# Altium PCB PCB1_Bak.PcbDoc (part 5 of 5)
Units mil, origin at the board's own origin, x right, y up, seen from the top; angles counter-clockwise.
Board outline 9847.03 x 4571.03 mil, 8 copper layers (HIGH_SPEED_TOP, GND PLANE1, LOW_SPEED, +1V8_3V3_5V, +12V, SIGNAL, GND_PLANE3, HIGH_SPEED_BOT), stack 62.99 mil thick; 506 components, 434 nets, 2446 pads, 333 vias.
Unrouted connection lines stored in the file: 910.
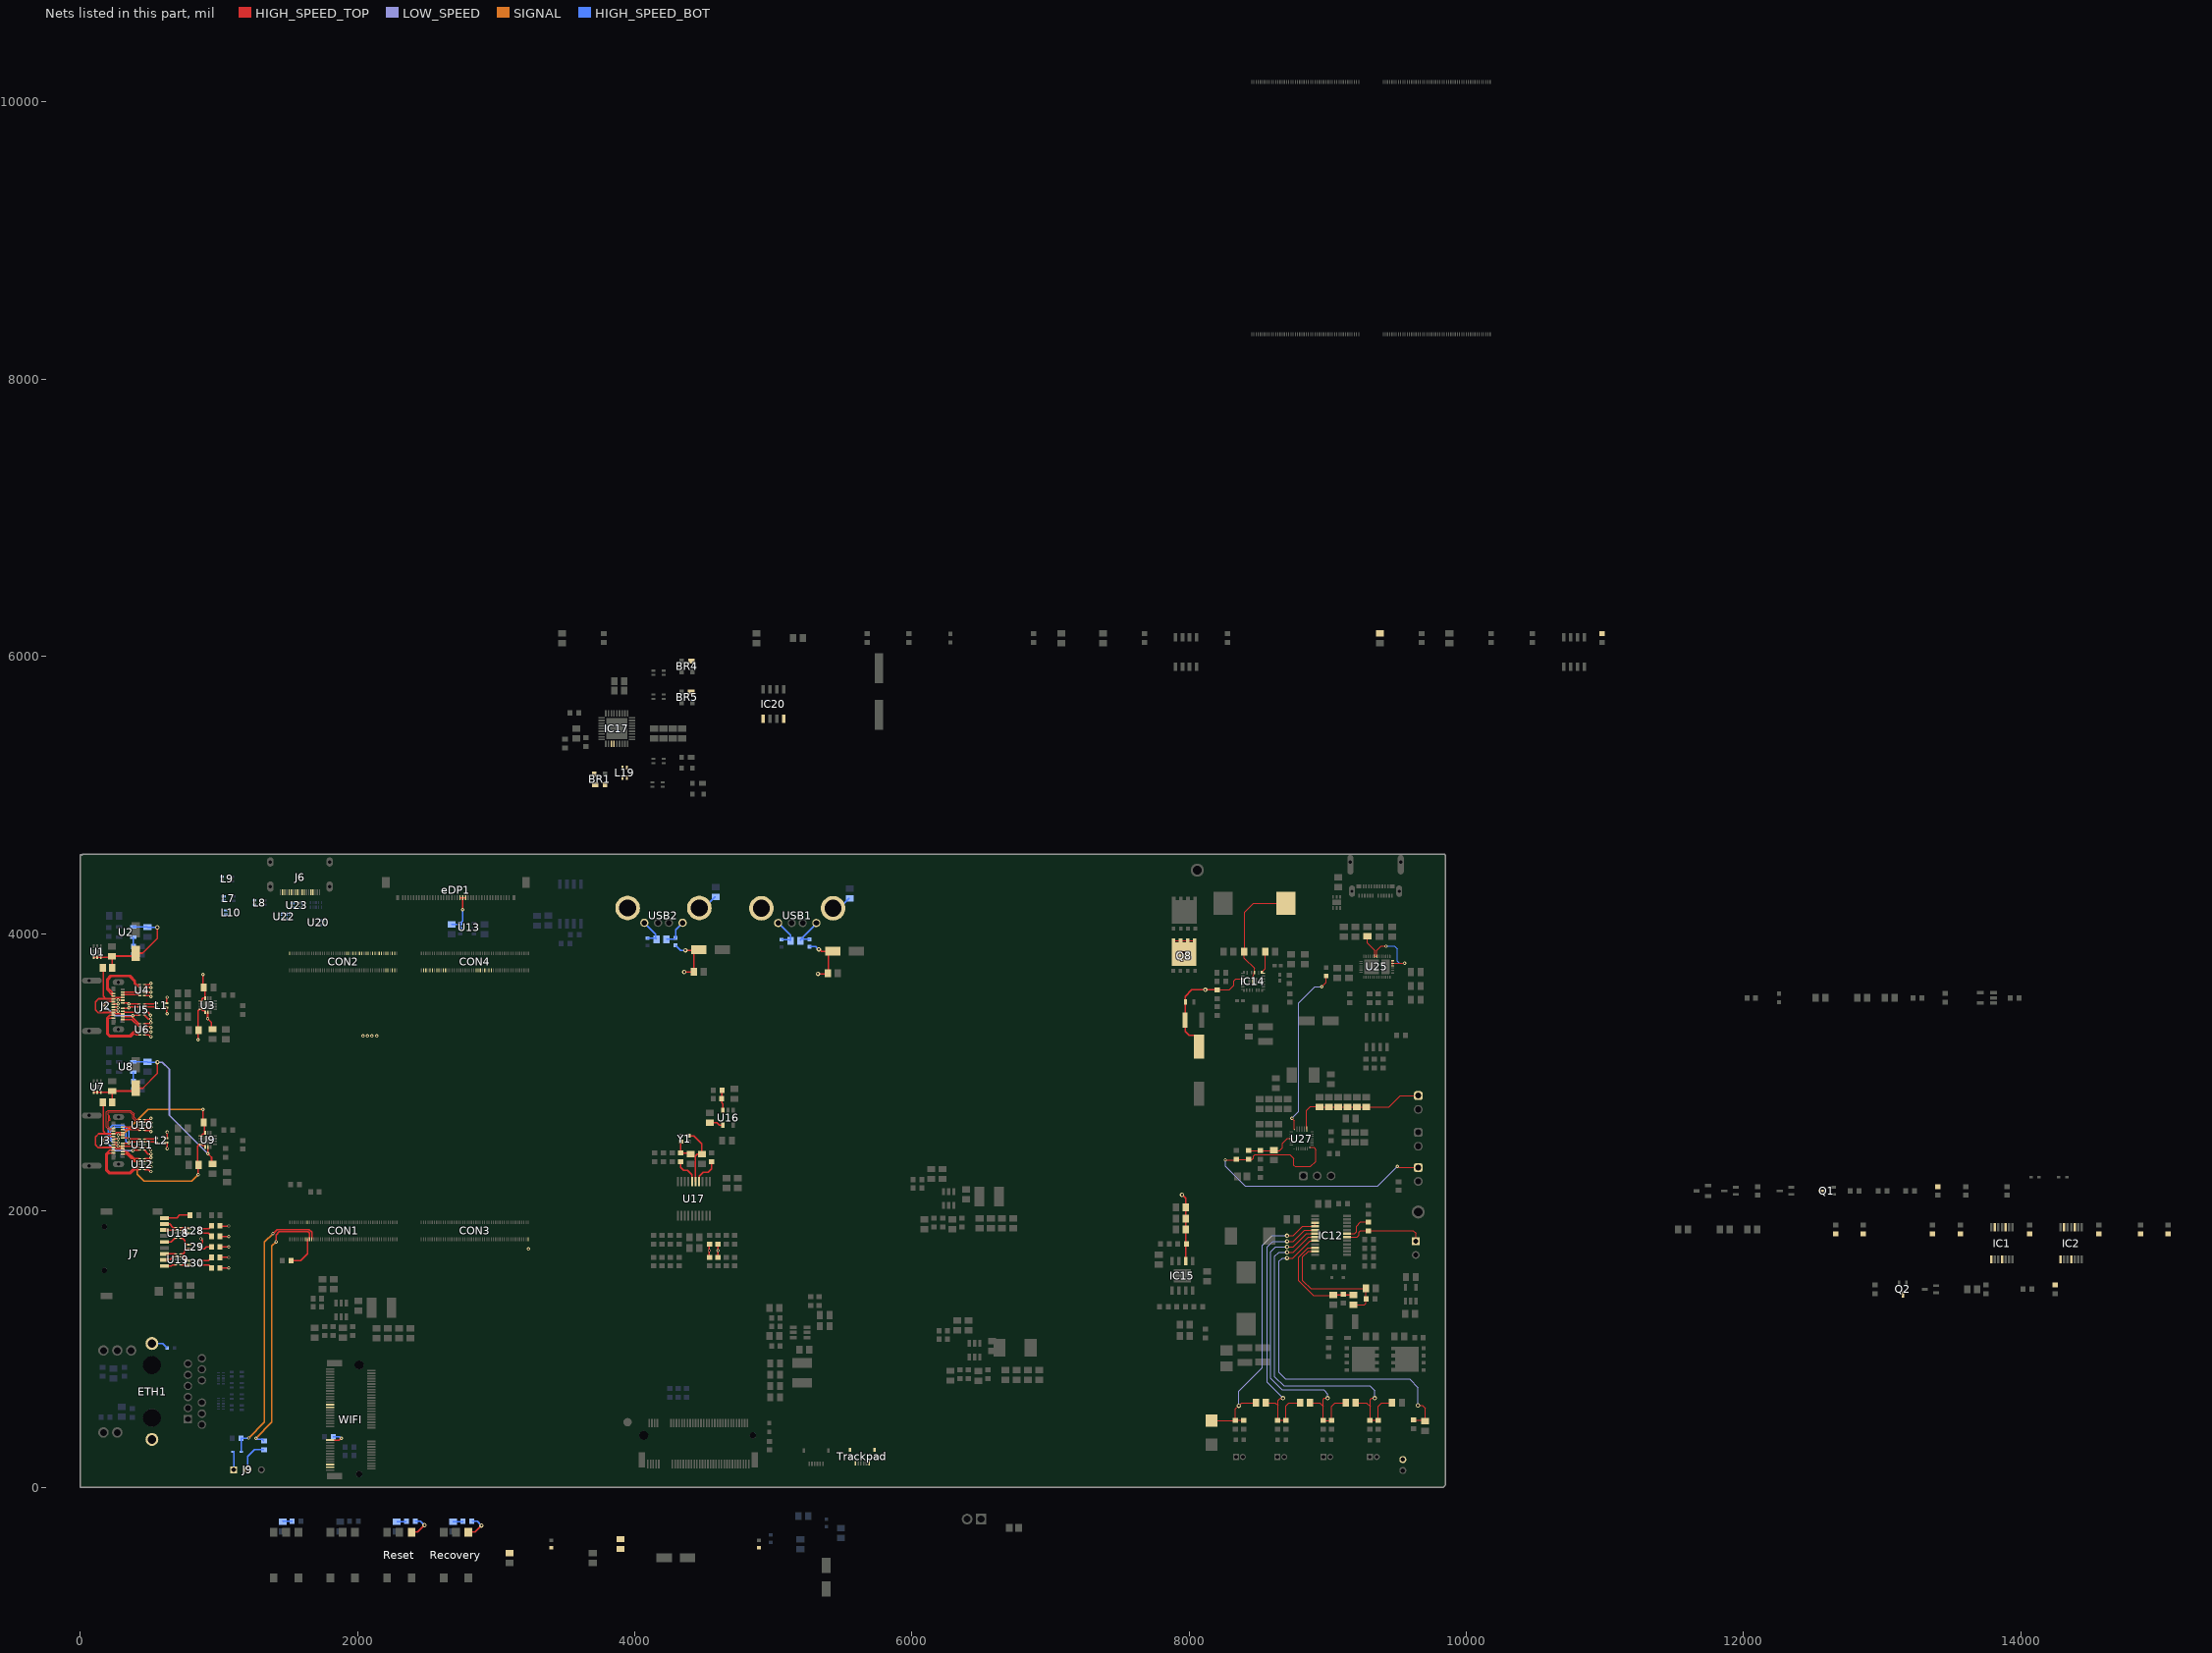
[diagram p11: the nets of this part, all layers, seen from the top]

## Via types
v1: diameter 32, hole 16, HIGH_SPEED_TOP to HIGH_SPEED_BOT, 172 vias
v2: diameter 24, hole 12, HIGH_SPEED_TOP to HIGH_SPEED_BOT, 136 vias
v3: diameter 23.62, hole 11.81, HIGH_SPEED_TOP to HIGH_SPEED_BOT, 24 vias
v4: diameter 40, hole 20, HIGH_SPEED_TOP to HIGH_SPEED_BOT, 1 vias

## Nets (pads, with @x,y where several pads share a name; then routed paths per layer and width w, separated by ;. In a path a pad name is that pad's centre, name@x,y a point inside that pad or via, vN(x,y) a via of type N, cw(c..) or ccw(c..) an arc to the next point about the centre after c; other vN are vias at no path point) (continued)
PWR3: BR5.1 C176.1 C177.1 FB5.1 IC20.8 | length 429.1
  HIGH_SPEED_TOP w10: v1(5321,3710) 5391.57,3710 C176.1@5394.57,3713 ; v1(5328,3887) 5333.95,3887 5348.22,3872.73 C177.1@5423.06,3872.73 ; C176.1@5396.57,3712 5396.57,3846.24 C177.1@5423.06,3872.73 ; C177.1@5430.07,3872.73 C177.1@5423.06,3872.73
  HIGH_SPEED_BOT w10: FB5.1@5261,3905.43 5303.62,3905.43 5322.05,3887 v1(5328,3887)
PWR4: BR4.1 C180.1 C181.1 FB7.1 IC20.5 | length 435.6
  HIGH_SPEED_TOP w10: v1(4357,3722) 4426.57,3722 C180.1@4427.57,3723 4427.57,3856.24 4454.06,3882.73 C181.1@4463.07,3882.73 4460.34,3880 v1(4365,3880)
  HIGH_SPEED_BOT w10: FB7.1@4294,3915.43 4294.98,3915.43 4330.41,3880 v1(4365,3880)
PWRON_L: C41.1 CON1.17 R70.1 | length 71.4
  HIGH_SPEED_BOT w10: C41.1@1459.57,-244.44 1464.14,-239.87 R70.1@1529.08,-239.87
RECOV: R73.2 Recovery.1 | length 197.5
  HIGH_SPEED_TOP w10: Recovery.1@2799.16,-318.52 2846.93,-318.52 v1(2894.57,-270.87)
  HIGH_SPEED_BOT w10: R73.2@2825.07,-239.87 2863.57,-239.87 v1(2894.57,-270.87)
RECOVERY: C44.1 CON2.1 R73.1 | length 74.4
  HIGH_SPEED_BOT w10: C44.1@2689.57,-244.44 2757.51,-244.44 R73.1@2762.08,-239.87
REGN: C103.2 R113.2 R116.2 U27.5 | length 368.4
  HIGH_SPEED_TOP w7.87: R116.2@8428.45,2429.18 R116.2@8429.94,2427.68 ; R116.2@8428.45,2435.18 R113.2@8513.45,2435.18 8608.51,2435.18 C103.2@8609.45,2436.12 8612.45,2433.12 8650.88,2433.12 8672.45,2454.68 8672.45,2486.81 8707.32,2521.69 U27.5@8737.65,2521.69
RESET: R71.2 Reset.1 | length 193.2
  HIGH_SPEED_TOP w10: Reset.1@2390.49,-318.52 2433.93,-318.52 v1(2483.57,-268.87)
  HIGH_SPEED_BOT w10: R71.2@2416.07,-239.87 2454.57,-239.87 v1(2483.57,-268.87)
RESET_L: C42.1 CON1.16 R71.1 | length 72.4
  HIGH_SPEED_BOT w10: C42.1@2282.57,-244.44 2348.51,-244.44 R71.1@2353.08,-239.87
RX_M0: D3.1 J9.1 | length 133.6
  HIGH_SPEED_BOT w10: D3.1@1101.47,261 1103.73,261 1107,257.73 J9.1@1107,131
S2: R24.2 U17.4 | length 202.4
  HIGH_SPEED_TOP w10: U17.4@4464.39,2209.5 4465.05,2210.16 4465.05,2251.05 4492.46,2278.46 4529.46,2278.46 4553,2302 R24.2@4553,2353.5
SCL: J6.15 Q1.3 R56.1 U20.5 U20.6
SD_CLK: CON4.60 J7.5 L29.1 L29.4 U18.5 U18.6 | length 251.8
  HIGH_SPEED_TOP w10: J7.5@607.12,1774.64 653.64,1774.64 679.31,1800.31 U18.5@689.54,1800.31 ; U18.6@722.73,1800.31 739.69,1800.31 754,1786 754,1764.75 762.86,1755.88 786.45,1755.88 L29.1@786.58,1755.75 ; L29.4@859.42,1755.75 862.29,1758.62 875.65,1758.62 881.51,1764.48 881.51,1785.14 870,1796.65 v2(870,1798)
SD_CMD: J7.3 L29.2 L29.3 R46.2 U19.1 U19.10 | length 263.7
  HIGH_SPEED_TOP w10: J7.3@607.12,1688.03 607.29,1688.2 689.1,1688.2 U19.1@689.27,1688.37 ; U19.10@722.73,1688.37 723.8,1689.43 745.14,1689.43 751,1695.29 751,1713 762.25,1724.25 L29.2@786.58,1724.25 ; L29.3@859.42,1724.25 894.25,1724.25 909.4,1739.4 R46.2@945.5,1739.4
SD_D0: J7.7 L28.2 L28.3 R47.2 U18.2 U18.9 | length 252.4
  HIGH_SPEED_TOP w10: J7.7@607.12,1861.26 608.06,1860.31 688.59,1860.31 U18.2@689.54,1859.37 ; U18.9@722.73,1859.37 740.63,1859.37 759,1841 785.83,1841 L28.2@786.58,1840.25 ; L28.3@859.42,1840.25 922.82,1840.25 945.5,1817.57 R47.2@945.5,1815.6
SD_D1: J7.8 L28.1 L28.4 R48.2 U18.1 U18.10 | length 256.6
  HIGH_SPEED_TOP w10: J7.8@607.12,1904.57 608.55,1906 644,1906 670.95,1879.05 U18.1@689.54,1879.05 ; U18.10@722.73,1879.05 744.95,1879.05 751,1873 785.33,1873 L28.1@786.58,1871.75 ; L28.4@859.42,1871.75 927.42,1871.75 945.5,1889.83 R48.2@945.5,1891.8
SD_D2: J7.1 L30.2 L30.3 R44.2 U19.5 U19.6 | length 246
  HIGH_SPEED_TOP w10: J7.1@607.12,1601.42 656.42,1601.42 664.63,1609.63 U19.5@689.27,1609.63 ; U19.6@722.73,1609.63 723.42,1608.94 785.89,1608.94 L30.2@786.58,1608.25 ; L30.3@859.42,1608.25 926.22,1608.25 945.5,1588.97 R44.2@945.5,1587
SD_D3: J7.2 L30.1 L30.4 R45.2 U19.2 U19.9 | length 274.7
  HIGH_SPEED_TOP w10: J7.2@607.12,1644.72 608.39,1646 648,1646 670.69,1668.69 U19.2@689.27,1668.69 ; U19.9@722.73,1668.69 745.14,1668.69 751,1662.83 751,1646 757.25,1639.75 L30.1@786.58,1639.75 ; L30.4@859.42,1639.75 924.02,1639.75 945.5,1661.23 R45.2@945.5,1663.2
SD_DET: J7.CD R50.2 | length 193.7
  HIGH_SPEED_TOP w10: J7.CD@607.12,1947.87 696.87,1947.87 717,1968 R50.2@792.5,1968
SDA: J6.16 Q2.3 R59.1 U20.4 U20.7
SDIO_RESET: R41.2 WIFI.23 | length 148.1
  HIGH_SPEED_TOP w10: WIFI.23@1803.85,345.54 1867.9,345.54 1880.06,357.71 v2(1883.85,357.71)
  HIGH_SPEED_BOT w10: R41.2@1825.35,368.71 1869.06,368.71 1880.06,357.71 v2(1883.85,357.71)
SDMMC0_CMD: CON4.56 R46.1 | length 62.8
  HIGH_SPEED_TOP w10: R46.1@1008.5,1739.4 1009.1,1738.8 v2(1071,1738.8)
SDMMC0_D0: CON4.64 R47.1 | length 63.1
  HIGH_SPEED_TOP w10: R47.1@1008.5,1815.6 1009.9,1814.2 v2(1071,1814.2)
SDMMC0_D1: CON4.66 R48.1 | length 63.4
  HIGH_SPEED_TOP w10: R48.1@1008.5,1891.8 1010.7,1889.6 v2(1071,1889.6)
SDMMC0_D2: CON4.52 R44.1 | length 62.9
  HIGH_SPEED_TOP w10: R44.1@1008.5,1587 1009.5,1588 v2(1071,1588)
SDMMC0_D3: CON4.54 R45.1 | length 62.6
  HIGH_SPEED_TOP w10: R45.1@1008.5,1663.2 1008.7,1663.4 v2(1071,1663.4)
SHIELD: ETH1.S1 ETH1.S2 FB11.2 | length 124.3
  HIGH_SPEED_BOT w10: ETH1.S2@517,1042 596.41,1042 627.43,1010.98 FB11.2@627.43,1010
SR_N: C122.2 C123.2 IC12.11 R135.2 | length 958.8
  HIGH_SPEED_TOP w7.87: IC12.11@8907.78,1707.53 8859.29,1707.53 8819.45,1667.68 8819.45,1496.68 8877.45,1438.68 C122.2@9275.02,1438.68 9275.02,1363.62 R135.2@9275.95,1362.68 9275.95,1332.19 9264.02,1320.25 C123.2@9184.45,1320.25
SR_P: C123.1 C124.2 IC12.10 R136.2 | length 764.1
  HIGH_SPEED_TOP w7.87: IC12.10@8907.78,1733.12 8856.88,1733.12 8789.45,1665.68 8789.45,1493.69 8895.02,1388.12 9036.45,1388.12 C124.2@9039.45,1391.12
  HIGH_SPEED_TOP w10: C124.2@9039.45,1391.12 9106.39,1391.12 R136.2@9113.45,1398.18 9120.51,1391.12 C123.1@9184.45,1391.12
STAT: LED3.2 U27.1 | length 1247.8
  HIGH_SPEED_TOP w7.87: v2(8741.45,2666.68) 8758.56,2649.57 U27.1@8758.56,2585.91 ; v2(8956.45,3615.68) 8989.45,3648.68 LED3.2@8989.45,3695.16
  LOW_SPEED w7.87: v2(8741.45,2666.68) 8790.45,2715.68 8790.45,3498.68 8907.45,3615.68 v2(8956.45,3615.68)
SW2_(1,2): C138.2 IC14.21 IC14.25 L17.2 | length 857.2
  HIGH_SPEED_TOP w7.87: IC14.25@8459.84,3654.68 8459.84,3694.55 8468.7,3703.41 8468.7,3718.66 IC14.21@8469.69,3719.65 8469.69,3751.63 8398.02,3823.3 C138.2@8398.02,3869.68 8401.45,3873.12 8401.45,4155.68 8463.45,4217.68 L17.2@8696.83,4217.68
Trackpad_gnd: C174.2 FB4.2 Trackpad.1
Trackpad_MP: C175.1 Trackpad.MP1 Trackpad.MP2
Trackpad_vbus: C174.1 FB3.2 Trackpad.6
TS: JP3.1 R115.2 R116.1 U27.16 | length 2450.5
  HIGH_SPEED_TOP w7.87: v2(8260.45,2366.68) 8337.45,2366.68 R115.2@8341.45,2370.68 R116.1@8426.95,2370.68 ; R116.1@8427.95,2369.68 8453.45,2369.68 8463.45,2379.68 8463.45,2394.68 8473.45,2404.68 8726.45,2404.68 8754.45,2376.68 8754.45,2328.68 8764.45,2318.68 8876.45,2318.68 8913.45,2355.68 8913.45,2441.95 8897.93,2457.46 U27.16@8868.8,2457.46 ; v2(9501.45,2319.68) 9505.81,2319.68 9511.81,2313.68 9650.45,2313.68 JP3.1@9652.45,2311.69
  LOW_SPEED w7.87: v2(8260.45,2366.68) 8260.45,2321.69 8402.45,2179.68 9361.45,2179.68 v2(9501.45,2319.68)
TX0P_N: IC2.6 J6.9 U23.2 U23.9
TX0P_OUT_N: L9.2 R67.2
TX0P_OUT_P: L9.1 R66.2
TX0P_P: IC2.3 J6.8 U23.1 U23.10
TX1P_N: IC1.11 J6.6 U22.5 U22.6
TX1P_OUT_N: L8.2 R65.2
TX1P_OUT_P: L8.1 R64.2
TX1P_P: IC1.8 J6.5 U22.4 U22.7
TX2P_N: IC1.6 J6.3 U22.2 U22.9
TX2P_OUT_N: L7.2 R63.2
TX2P_OUT_P: L7.1 R62.2
TX2P_P: IC1.3 J6.2 U22.1 U22.10
TX3P_N: IC2.11 J6.12 U23.5 U23.6
TX3P_OUT_N: L10.2 R69.2
TX3P_OUT_P: L10.1 R68.2
TX3P_P: IC2.8 J6.11 U23.4 U23.7
TX_M0: J9.2 R78.2 | length 234.5
  HIGH_SPEED_BOT w10: J9.2@1207,131 1207,226 1256.5,275.5 R78.2@1326,275.5
TYPE_CC1: C4.2 J2.A5 U3.10 U3.11 | length 244.8
  HIGH_SPEED_TOP w10: v2@273,3520 273.21,3519.79 305.72,3519.79 J2.A5@305.93,3519.58 ; U3.11@878.46,3513.83 878.46,3528.72 884.32,3534.58 U3.10@901.18,3534.58 901.18,3600.17 C4.2@890.75,3610.61 ; C4.2@883.88,3614.18 885,3615.3 v2@885,3705
  other v2: 272.9,3519.54 884.9,3704.54
TYPE_CC1_J3: C19.2 J3.A5 U9.10 U9.11 | length 933.5
  HIGH_SPEED_TOP w10: v2(274,2546) 274.21,2545.79 306.72,2545.79 J3.A5@306.93,2545.58 ; U9.11@862.78,2539.83 870.65,2539.83 883.53,2552.71 893.37,2552.71 894.28,2553.61 894.28,2627.05 C19.2@887.34,2633.99 ; C19.2@884.88,2640.18 886,2641.3 v2(886,2731)
  SIGNAL w10: v2(274,2546) 305,2546 490,2731 v2(886,2731)
TYPE_CC2: C5.2 J2.B5 U3.1 U3.14 | length 315.1
  HIGH_SPEED_TOP w10: J2.B5@239,3450.68 J2.B5@239.88,3449.78 259.39,3449.82 268.21,3441 v2@272,3441 ; v2@850,3235 850,3443 859.97,3452.97 868.78,3452.97 U3.14@869.69,3453.87 877.56,3453.87 878.46,3452.97 878.46,3447.76 884.32,3441.91 894.42,3441.91 895.32,3441 900.28,3441 U3.1@900.28,3434.11
  other v2: 849.9,3234.54 271.9,3440.54
TYPE_CC2_J3: C20.2 J3.B5 U9.1 U9.14 | length 1084.4
  HIGH_SPEED_TOP w10: J3.B5@240,2476.68 240.87,2475.82 260.39,2475.82 269.21,2467 v2(273,2467) ; C20.2@845.71,2330.82 845.71,2463.71 854,2472 854,2479.87 854.91,2480.78 877.65,2480.78 878.56,2479.87 878.56,2473.76 884.42,2467.9 900.37,2467.9 901.28,2467 U9.1@901.28,2453.62 ; C20.2@846.75,2333.51 851,2329.26 v2(851,2261)
  SIGNAL w10: v2(273,2467) 273.59,2466.41 290.59,2466.41 411,2346 411,2264 461,2214 804,2214 v2(851,2261)
TYPEC0_D_N: J2.A7 J2.B7 L1.2 U5.2 U5.9 | length 247.4
  HIGH_SPEED_TOP w10: J2.B7@239,3490.05 239.87,3490.92 270.92,3490.92 v2@273,3493 ; J2.A7@306.81,3459.62 341.19,3459.62 346.11,3464.54 v2(349.9,3464.54) 353.69,3464.54 360.33,3471.18 U5.2@427.27,3471.18 ; U5.9@460.73,3471.18 533.76,3471.18 538.69,3466.25 L1.2@545.58,3466.25
  other v2: 272.9,3492.54
TYPEC0_D_P: J2.A6 J2.B6 L1.1 U5.1 U5.10 | length 246.2
  HIGH_SPEED_TOP w10: J2.B6@239,3470.37 J2.B6@239.88,3469.46 265.04,3469.5 268.21,3466.33 v2@272,3466.33 ; J2.A6@306.81,3498.99 341.66,3498.99 347.11,3493.54 v2(350.9,3493.54) 352.51,3491.93 426.2,3491.93 U5.1@427.27,3490.87 ; U5.10@460.73,3490.87 531.81,3490.87 538.69,3497.75 L1.1@545.58,3497.75
  other v2: 271.9,3465.88
TYPEC0_OTG_N: CON2.92 L1.3 | length 48.6
  HIGH_SPEED_TOP w10: L1.3@618.42,3466.25 621.45,3466.25 624.32,3463.38 624.32,3425.68 v2@627,3423
  other v2: 2072,3261 626.9,3422.54
TYPEC0_OTG_P: CON2.90 L1.4 | length 48.6
  HIGH_SPEED_TOP w10: L1.4@618.42,3497.75 621.45,3497.75 624.32,3500.62 624.32,3538.32 v2@627,3541
  other v2: 2039,3261 626.9,3540.54
TYPEC0_SBU1_OUT: CON4.4 J2.A8 U5.4 U5.7 | length 179.1
  HIGH_SPEED_TOP w10: J2.A8@306.81,3439.94 314.72,3439.94 315.59,3439.07 315.59,3437.67 321.45,3431.81 U5.4@427.27,3431.81 ; U5.7@460.73,3431.81 487.19,3431.81 v2@507,3412
  other v2: 506.9,3411.54
TYPEC0_SBU2_OUT: CON4.6 J2.B8 U5.5 U5.6 | length 427.9
  HIGH_SPEED_TOP w10: v2@171,3485 195.74,3509.74 J2.B8@239,3509.74 ; v2@379,3407 382.79,3407 387.92,3412.13 U5.5@427.27,3412.13 ; U5.6@460.73,3412.13 465.5,3412.13 493.63,3384 v2@508,3384
  LOW_SPEED w10: v2@171,3485 249,3407 v2@379,3407
  other v2: 507.9,3383.54 378.9,3406.54 170.9,3484.54
TYPEC0_SSRX1_N: CON2.73 J2.B10 U4.1 U4.10 | length 482.8
  HIGH_SPEED_TOP w10: J2.B10@239.88,3548.2 231.97,3548.2 231.1,3549.07 231.1,3556.98 190.9,3597.19 190.9,3670.25 216.83,3696.18 359.97,3696.18 397.9,3658.25 397.9,3641.11 407.54,3631.47 U4.1@429.13,3631.47 ; U4.10@462.6,3632.37 496.58,3632.37 505.21,3641 v2@509,3641
  other v2: 508.9,3640.54
TYPEC0_SSRX1_P: CON2.71 J2.B11 U4.2 U4.9 | length 443.9
  HIGH_SPEED_TOP w10: J2.B11@239.88,3567.89 231.97,3567.89 231.1,3568.76 231.1,3576.67 200.9,3606.87 200.9,3666.11 223.9,3689.11 352.9,3689.11 387.9,3654.11 387.9,3641.11 402.01,3626.99 409.17,3626.99 424.37,3611.79 U4.2@429.13,3611.79 ; U4.9@462.6,3611.62 506.38,3611.62 v2@509,3609
  other v2: 508.9,3608.54
TYPEC0_SSRX2_N: CON2.61 J2.A10 U6.1 U6.10 | length 194.4
  HIGH_SPEED_TOP w10: J2.A10@306.81,3400.57 372.28,3400.57 424.37,3348.48 U6.1@429.13,3348.48 ; U6.10@461.68,3349.37 497.58,3349.37 505.21,3357 v2@509,3357
  other v2: 508.9,3356.54
TYPEC0_SSRX2_P: CON2.59 J2.A11 U6.2 U6.9 | length 193.7
  HIGH_SPEED_TOP w10: J2.A11@306.81,3380.88 372.28,3380.88 424.37,3328.8 U6.2@429.13,3328.8 ; U6.9@461.68,3329.69 499.19,3329.69 505.21,3323.67 v2@509,3323.67
  other v2: 508.9,3323.21
TYPEC0_SSTX1_N: CON2.67 J2.A3 U4.5 U4.6 | length 174.5
  HIGH_SPEED_TOP w10: J2.A3@306.81,3558.05 419.06,3558.05 424.37,3552.73 U4.5@429.13,3552.73 ; U4.6@462.6,3553.63 496.58,3553.63 505.21,3545 v2@509,3545
  other v2: 508.9,3544.54
TYPEC0_SSTX1_P: CON2.65 J2.A2 U4.4 U4.7 | length 172.5
  HIGH_SPEED_TOP w10: J2.A2@306.81,3577.73 419.06,3577.73 424.37,3572.42 U4.4@429.13,3572.42 ; U4.7@462.6,3573.32 501.88,3573.32 505.57,3577 v2@509,3577
  other v2: 508.9,3576.54
TYPEC0_SSTX2_N: CON2.55 J2.B3 U6.5 U6.6 | length 483
  HIGH_SPEED_TOP w10: J2.B3@239.88,3410.41 210.74,3410.41 191.76,3391.43 191.76,3275.25 211.9,3255.11 363.04,3255.11 384.97,3277.04 397.07,3277.04 403.31,3270.8 428.07,3270.8 U6.5@429.13,3269.74 ; U6.6@461.68,3270.63 491.58,3270.63 505.21,3257 v2@509,3257
  other v2: 508.9,3256.54
TYPEC0_SSTX2_P: CON2.53 J2.B2 U6.4 U6.7 | length 439.1
  HIGH_SPEED_TOP w10: J2.B2@239.88,3390.72 207.61,3390.72 201.76,3384.87 201.76,3275.25 211.9,3265.11 358.9,3265.11 383.21,3289.43 U6.4@429.13,3289.43 ; U6.7@461.69,3290.32 v2@508.99,3290.32
  other v2: 508.9,3289.88
TYPEC1_D_N: J3.A7 J3.B7 L2.2 U11.4 U11.7 | length 591.8
  HIGH_SPEED_TOP w10: J3.B7@240,2516.05 240.87,2516.92 271.92,2516.92 v2(274,2519) ; J3.A7@306.93,2486.53 342.74,2486.53 347.21,2491 v2(351,2491) 354.79,2491 360.97,2497.18 U11.7@428.27,2497.18 ; U11.4@461.73,2497.18 534.76,2497.18 539.69,2492.25 L2.2@546.58,2492.25
  HIGH_SPEED_BOT w10: v2(274,2519) 246,2519 242,2515 229.86,2515 217,2527.86 217,2572 247,2602 304,2602 331,2575 331,2500.9 338.22,2493.68 348.32,2493.68 v2(351,2491)
TYPEC1_D_P: J3.A6 J3.B6 L2.1 U11.5 U11.6 | length 626.4
  HIGH_SPEED_TOP w10: J3.B6@240,2496.37 240.87,2495.5 266.04,2495.5 269.21,2492.33 v2(273,2492.33) ; J3.A6@306.93,2525.9 342.32,2525.9 348.21,2520 v2(352,2520) 354.07,2517.93 427.21,2517.93 U11.6@428.27,2516.87 ; U11.5@461.73,2516.87 532.82,2516.87 539.69,2523.75 L2.1@546.58,2523.75
  HIGH_SPEED_BOT w10: v2(273,2492.33) 232.73,2492.33 203,2522.06 203,2586 233,2616 309.8,2616 352,2573.8 v2(352,2520)
TYPEC1_OTG_D_N: CON2.98 L2.3 | length 48.6
  HIGH_SPEED_TOP w10: L2.3@619.42,2492.25 622.45,2492.25 625.32,2489.38 625.32,2451.68 v2(628,2449)
  other v2: 2138,3261
TYPEC1_OTG_D_P: CON2.96 L2.4 | length 48.6
  HIGH_SPEED_TOP w10: L2.4@619.42,2523.75 622.45,2523.75 625.32,2526.62 625.32,2564.32 v2(628,2567)
  other v2: 2104,3261
TYPEC1_SBU1: CON4.10 J3.A8 U11.2 U11.9 | length 179.6
  HIGH_SPEED_TOP w10: J3.A8@306.93,2466.84 396.16,2466.84 405.19,2457.81 U11.9@428.27,2457.81 ; U11.2@461.73,2457.81 488.19,2457.81 v2(508,2438)
TYPEC1_SBU2: CON4.12 J3.B8 U11.1 U11.10 | length 430.7
  HIGH_SPEED_TOP w10: v2(172,2511) 196.74,2535.74 J3.B8@240,2535.74 ; v2(380,2433) 383.79,2433 388.92,2438.13 U11.10@428.27,2438.13 ; U11.1@461.73,2438.13 466.5,2438.13 467.56,2437.07 467.56,2432.3 489.86,2410 v2(509,2410)
  LOW_SPEED w10: v2(172,2511) 250,2433 v2(380,2433)
TYPEC1_SSRX1_N: CON2.97 J3.B10 U10.1 U10.10 | length 515.1
  HIGH_SPEED_TOP w6.5: J3.B10@240,2575.11 237.39,2577.72 223.63,2577.72 222.15,2579.2 211.7,2579.2 188.5,2602.4 188.5,2612.13 188.5,2683 188.5,2711.77 202.23,2725.5 362.09,2725.5 389.43,2698.16 389.43,2673.49 408.64,2654.28 418.24,2654.28 422.33,2658.37 U10.1@429.22,2658.37
  HIGH_SPEED_TOP w10: U10.10@462.69,2658.37 497.58,2658.37 506.21,2667 v2(510,2667)
TYPEC1_SSRX1_P: CON2.95 J3.B11 U10.2 U10.9 | length 512.1
  HIGH_SPEED_TOP w6.5: J3.B11@240,2594.79 237.39,2592.18 223.63,2592.18 222.15,2590.7 216.46,2590.7 200,2607.17 200,2612.13 200,2633 200,2646.63 cw(c206.5,2646.63) 206.5,2653.13 211.17,2653.13 ccw(c211.17,2658.32) 216.36,2658.32 ccw(c211.17,2658.32) 211.17,2663.51 205.19,2663.51 cw(c205.19,2668.7) 200,2668.7 cw(c205.19,2668.7) 205.19,2673.89 206.51,2673.89 ccw(c206.51,2679.08) 211.69,2679.08 ccw(c206.51,2679.08) 206.51,2684.27 cw(c206.5,2690.77) 200,2690.77 200,2707 207,2714 357.32,2714 377.93,2693.4 377.93,2668.72 403.87,2642.77 418.24,2642.77 422.33,2638.69 U10.2@429.22,2638.69
  HIGH_SPEED_TOP w10: U10.9@462.69,2638.69 463.75,2637.62 507.38,2637.62 v2(510,2635)
TYPEC1_SSRX2_N: CON2.85 J3.A10 U12.1 U12.10 | length 194.3
  HIGH_SPEED_TOP w10: J3.A10@306.93,2427.47 336.21,2427.47 388.31,2375.37 U12.1@429.22,2375.37 ; U12.10@462.69,2375.37 498.58,2375.37 506.21,2383 v2(510,2383)
TYPEC1_SSRX2_P: CON2.83 J3.A11 U12.2 U12.9 | length 193.7
  HIGH_SPEED_TOP w10: J3.A11@306.93,2407.79 336.21,2407.79 388.31,2355.69 U12.2@429.22,2355.69 ; U12.9@462.69,2355.69 500.19,2355.69 506.21,2349.67 v2(510,2349.67)
TYPEC1_SSTX1_N: CON2.91 J3.A3 U10.5 U10.6 | length 175.4
  HIGH_SPEED_TOP w10: J3.A3@306.93,2584.95 419.13,2584.95 424.46,2579.63 U10.5@429.22,2579.63 ; U10.6@462.69,2579.63 497.58,2579.63 506.21,2571 v2(510,2571)
TYPEC1_SSTX1_P: CON2.89 J3.A2 U10.4 U10.7 | length 173.3
  HIGH_SPEED_TOP w10: J3.A2@306.93,2604.64 366.99,2604.64 372.31,2599.32 U10.4@429.22,2599.32 ; U10.7@462.69,2599.32 463.75,2600.38 507.38,2600.38 v2(510,2603)
TYPEC1_SSTX2_N: CON2.79 J3.B3 U12.5 U12.6 | length 502.2
  HIGH_SPEED_TOP w10: J3.B3@240,2437.31 213.78,2437.31 185,2408.54 185,2292.46 209.46,2268 360.75,2268 389.38,2296.63 U12.5@429.22,2296.63 ; U12.6@462.69,2296.63 492.58,2296.63 506.21,2283 v2(510,2283)
TYPEC1_SSTX2_P: CON2.77 J3.B2 U12.4 U12.7 | length 463.4
  HIGH_SPEED_TOP w10: J3.B2@240,2417.63 208.24,2417.63 195,2404.39 195,2296.6 213.61,2278 356.61,2278 394.92,2316.32 U12.4@429.22,2316.32 ; U12.7@462.69,2316.32 v2@509.99,2316.32
  other v2: 510,2316.33
U2_ISET: R2.2 R3.2 U2.3 | length 127.6
  HIGH_SPEED_BOT w10: U2.3@381.18,3974.6 381.18,3910.32 383.5,3908 R2.2@383.5,3848
U8_ISET: R8.2 R9.2 U8.3 | length 127.6
  HIGH_SPEED_BOT w10: U8.3@382.18,3000.6 382.18,2936.32 R9.2@384.5,2934 R8.2@384.5,2874
U13_VOUT: C22.2 eDP1.17 eDP1.18 eDP1.19 U13.5 U13.6 | length 337.9
  HIGH_SPEED_TOP w10: eDP1.19@2739.41,4258 eDP1.18@2759.09,4258 ; v2(2758,4173) 2759.02,4174.02 2759.02,4257.92 eDP1.18@2759.09,4258 ; eDP1.17@2778.78,4258 eDP1.18@2759.09,4258
  HIGH_SPEED_BOT w10: C22.2@2678,4065.43 2727.91,4065.43 2735.88,4073.4 U13.6@2740.8,4073.4 ; U13.5@2740.8,4036 U13.6@2740.8,4073.4 ; v2(2758,4173) 2758,4090.6 2751.55,4084.15 2751.55,4079.23 2745.73,4073.4 U13.6@2740.8,4073.4
U16_BP: C27.2 U16.4 | length 100.4
  HIGH_SPEED_TOP w10: C27.2@4543,2635.57 4543.57,2635 4592,2635 4609.25,2617.75 U16.4@4636.01,2617.75
U16_EN: R22.1 R23.2 U16.3 | length 146.1
  HIGH_SPEED_TOP w10: R22.1@4628.99,2869 4628.5,2868.5 R23.2@4628.5,2808 4630,2806.5 4630,2778 4636.01,2771.99 U16.3@4636.01,2726.25
UART2_RX_M0_DEBUG: CON1.22 D3.2 R77.1 | length 2051
  HIGH_SPEED_TOP w10: v2(1390,1835) 1420,1865 1649,1865 1670,1844 1670,1795.6 CON1.22@1669.8,1795.41
  SIGNAL w10: v2(1214,360) 1329,475 1329,1774 v2(1390,1835)
  HIGH_SPEED_BOT w10: D3.2@1160.53,261 1160.53,357.97 R77.1@1159.5,359 1160.5,360 v2(1214,360)
UART2_TX_M0_DEBUG: CON1.20 R78.1 | length 1894.1
  HIGH_SPEED_TOP w10: v2(1413,1776) 1412,1777 1412,1826 1435,1849 1643,1849 1654.06,1837.94 CON1.20@1654.06,1795.41
  SIGNAL w10: v2(1267,359) 1382,474 1382,1745 v2(1413,1776)
  HIGH_SPEED_BOT w10: v2(1267,359) 1270.79,359 1278.58,351.21 1313.28,351.21 R78.1@1326,338.5
UP_N: IC17.30 L19.2
UP_P: IC17.31 L19.1
USB1_GND: C178.2 FB6.2 USB1.4 | length 233.4
  HIGH_SPEED_BOT w10: USB1.4@5034.58,4076 5123.89,3986.69 5123.89,3949.68 C178.2@5124.57,3949 5115.99,3957.57 FB6.2@5059,3957.57
USB1_SH: C179.1 USB1.5 USB1.6 | length 149.7